# Altium PCB ProtocolAnalyzer.PcbDoc
Units mil, origin at the board's own origin, x right, y up, seen from the top; angles counter-clockwise.
Board outline 3125 x 1950 mil, 2 copper layers (Top Layer, Bottom Layer); 17 components, 16 nets, 129 pads, 0 vias.
Unrouted connection lines stored in the file: 41.
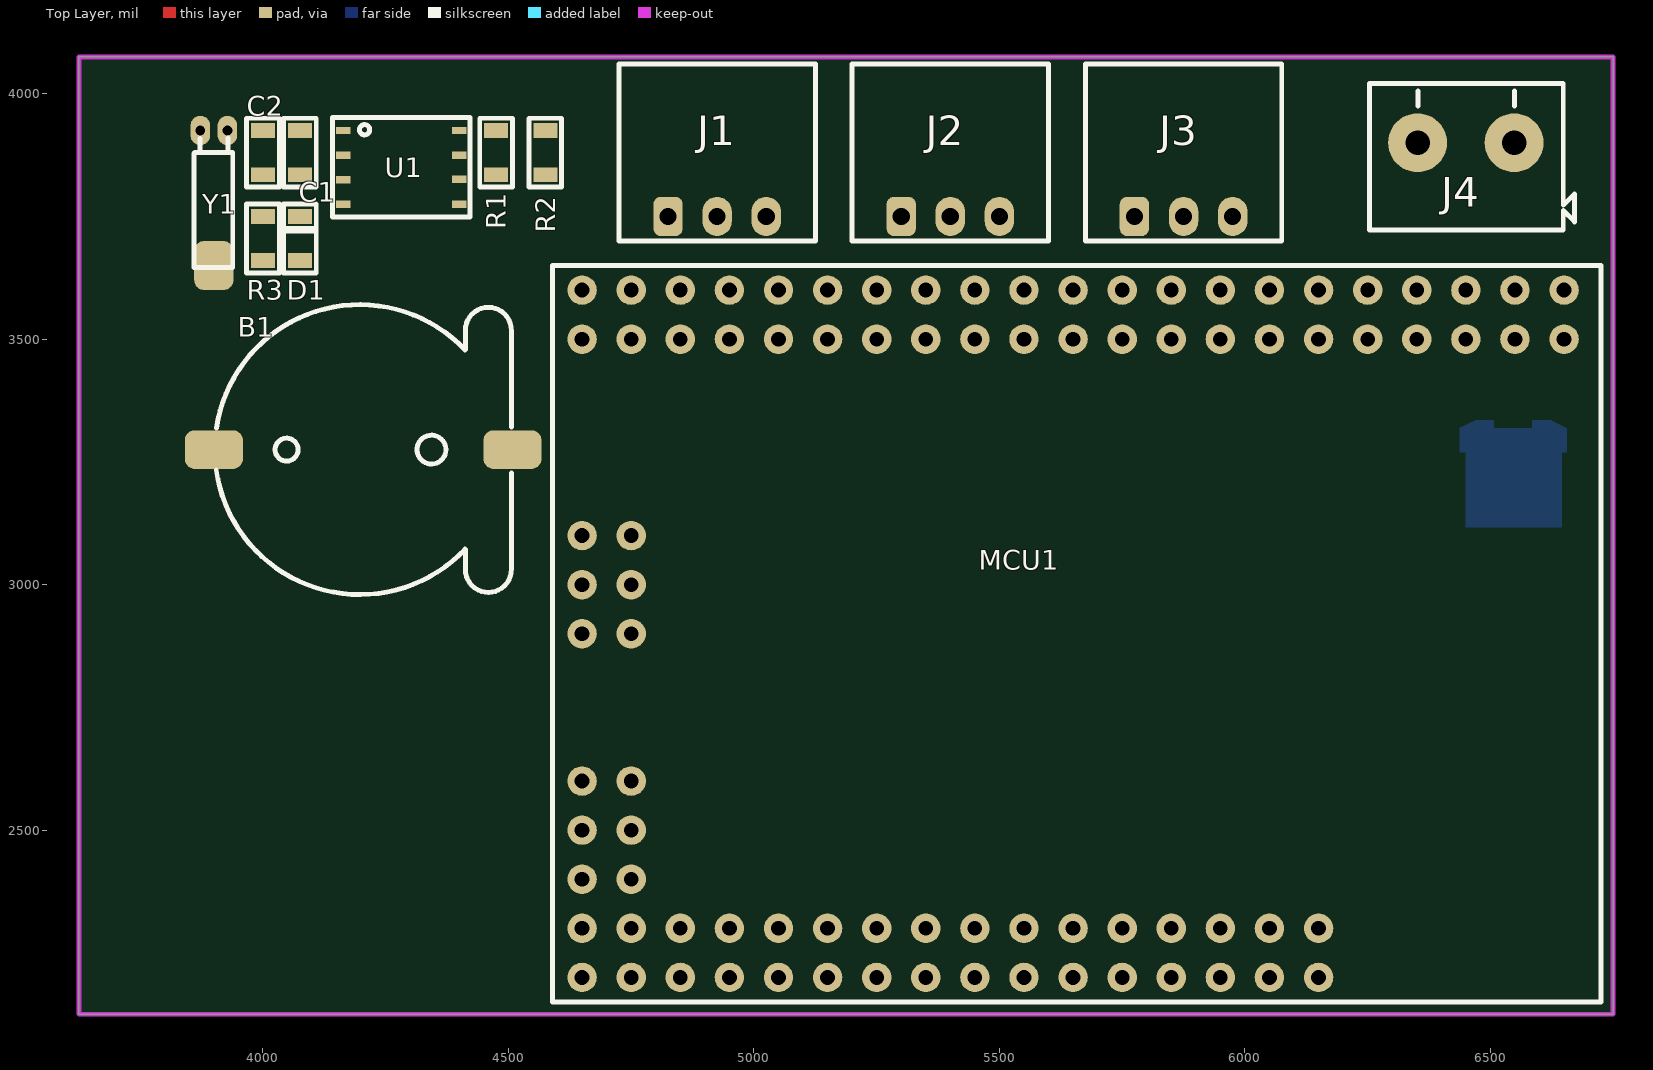
[diagram p0: Top Layer view]
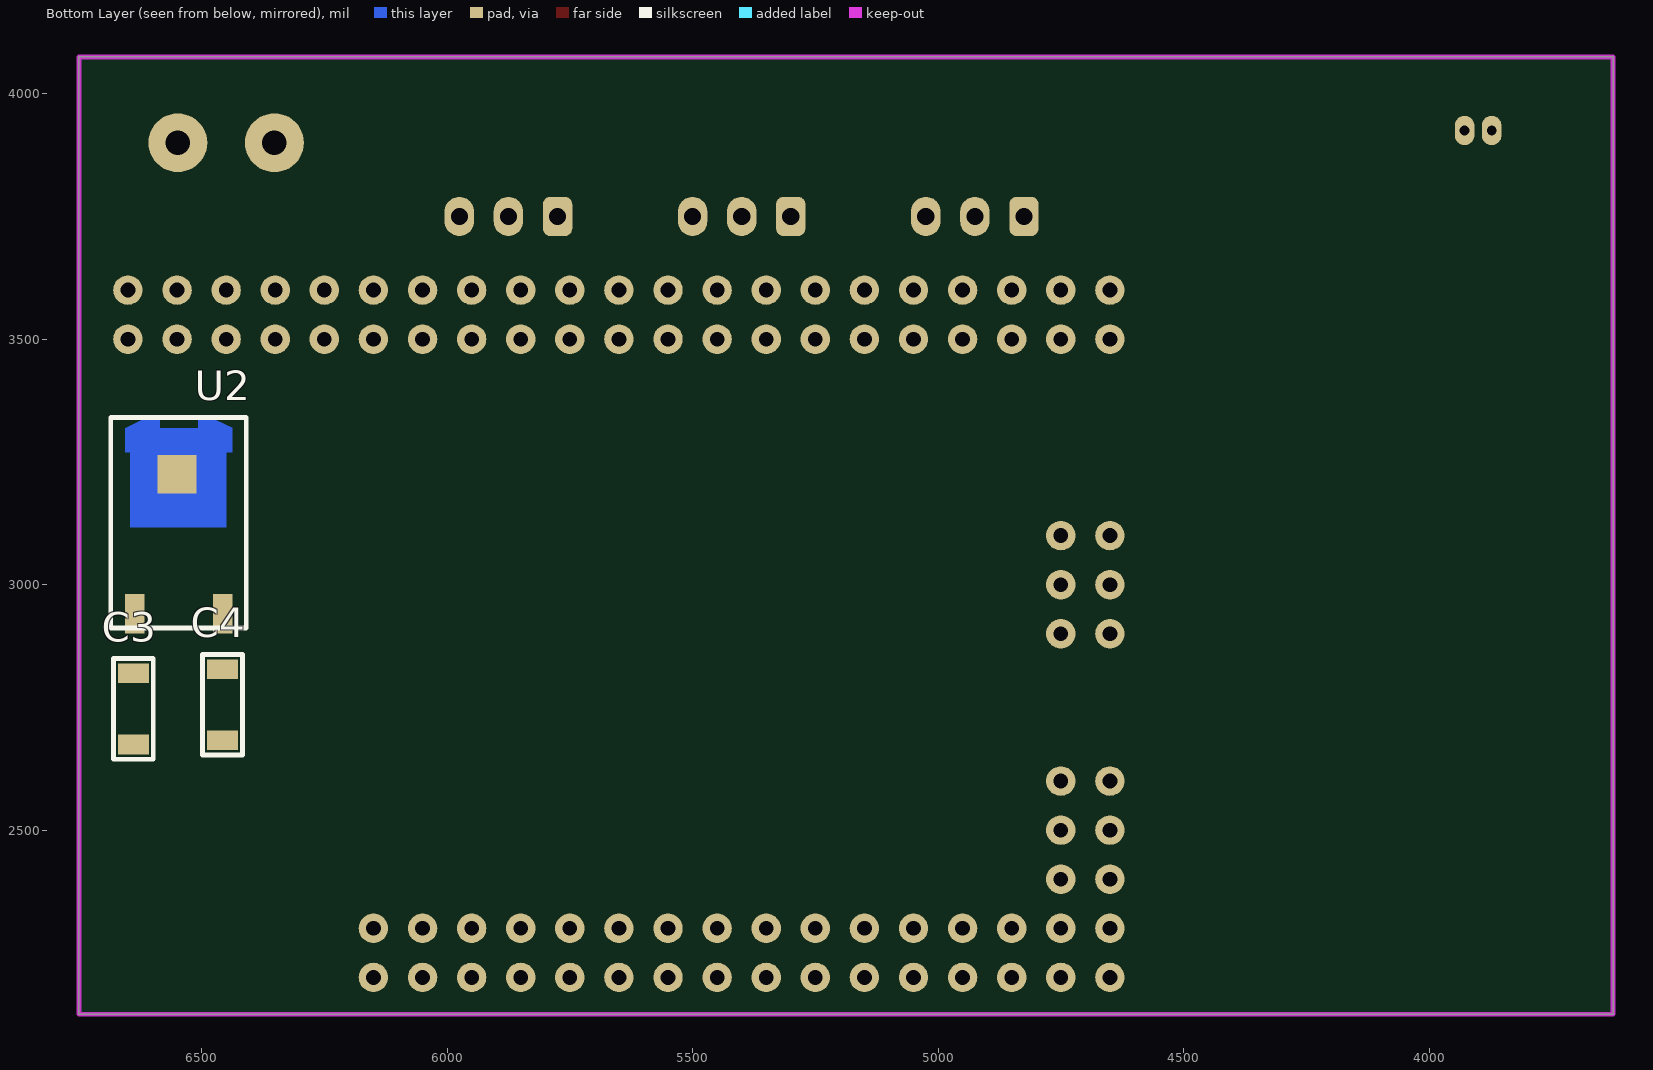
[diagram p1: Bottom Layer view, seen from below]

## Layer stack, top to bottom
Top Solder: solder mask 0.4, Solder Resist, Dk 3.5
Top Layer: signal copper 1.4
Dielectric 1: dielectric 12.6, FR-4, Dk 4.8
Bottom Layer: signal copper 1.4
Bottom Solder: solder mask 0.4, Solder Resist, Dk 3.5

## Board outline
3625,2125 3625,4075 6750,4075 6750,2125

## Design rules (kind name [scope] priority, off if disabled: settings)
Clearance [All] p1: gap=10 ignorepadtopadclearanceinfootprint=FALSE except(0: Arc-Hole Track-Hole SMDPad-Hole THPad-Hole Via-Hole Fill-Hole Poly-Hole Region-Hole Text-Hole)
PolygonConnect [All] p1: connectstyle=Relief reliefconductorwidth=10 reliefentries=4 polygonreliefangle="90 Angle" airgapwidth=10
RoutingVias [All] p1: holewidth=28 width=50 viastyle="Through Hole" minholewidth=28 minwidth=50 maxholewidth=28 maxwidth=50
SolderMaskExpansion [All] p1: expansion=4 istentingtop=FALSE
Width [All] p1: maxlimit=10 minlimit=10 preferedwidth=10
30 further rules are at their usual default settings.

## Components (designator, comment, footprint, x,y, rotation, side; value= is the part's Value field where it differs from the comment)
B1 "Batery" CR1220 4197.24,3275 r90 top
C1 "22p" C0805 4075,3880 r90 top
C2 "22p" C0805 4000,3880 r90 top
C3 "104" C1206 6638.77,2746.81 r270 bottom
C4 "104" C1206 6457.42,2755.28 r270 bottom
D1 "LED" L0805RED 4075,3705 r90 top
J1 "UART1" "JST - XH - Thru (R) - 3Pin - 2.54mm" 4925,3750 r0 top
J2 "UART2" "JST - XH - Thru (R) - 3Pin - 2.54mm" 5400,3750 r0 top
J3 "UART3" "JST - XH - Thru (R) - 3Pin - 2.54mm" 5875,3750 r0 top
J4 "KF306" DG306-5.0-02P-12-00AH 6450,3900 r180 top
MCU1 "MEGA256-PRO" MEGA2560-PRO 4650,3600 r0 top
R1 "10k" R0805 4475,3880 r90 top
R2 "10k" R0805 4575,3880 r90 top
R3 "10k" R0805 4000,3705 r90 top
U1 "RealTime" SOIC08_1.27_6.0 4281.73,3849.7 r0 top
U2 "LM7805" TO252-3 6546.06,3130.51 r180 bottom
Y1 "32.768KHz" DT-26 3900,3925 r90 top

## Footprints (in the part's own frame and the unit in brackets; to place one, negate y for a bottom-side part, rotate by r counter-clockwise, add the part's x,y. Pads: shape width x height; smd on the part's side, far side on the other; paste and mask are expansions set on the pad)
C0805 [mil]
  rect 30x48.82 smd: 1(-45,0) 2(45,0)
  silkscreen extent -70,-33 70,33, body extent -39,-24 39,24, height 39
C1206 [mil]
  rect 40x62.99 smd: 1(-72.5,0) 2(72.5,0)
  silkscreen extent -103,-40 103,40, body extent -63,-31 63,31, height 30
CR1220 [mm]
  rrect50% 2x3 smd: 1(0,-7.9) 2(0,7.55)
  silkscreen extent -7.5,-7.84 7.5,7.43, body extent -7.5,-9.42 7.5,9.07, height 4.04
DG306-5.0-02P-12-00AH [mil] "• Current rating: 10 A AC/DC  • Voltage rating: 300 V AC/DC  • Temperature range: -30° ~ +120°  • Applicable wire: 22-14AWG UL (0.5 - 1.5mm² IEC)"
  round 120 hole 50: 1(-98.43,0) 2(98.43,0)
  silkscreen extent -221,-121 197,178, body extent -221,-121 196,178, height 394
DT-26 [mil]
  oval 60x40 hole 20: 1(0,27.56) 2(0,-27.56)
  rrect50% 100x80 smd: 3(-275,0)
  silkscreen extent -279,-38 -15,40, body extent -275,-39 6,39, height 79
"JST - XH - Thru (R) - 3Pin - 2.54mm" [mil]
  rrect50% 60x80 hole 35: 1(-100,0)
  oval 60x80 hole 35: 2(0,0) 3(100,0)
  silkscreen extent -200,-50 200,310, body extent -192,-13 192,304, height 230
L0805RED [mil]
  rect 30x48.82 smd: 1(-45,0) 2(45,0)
  silkscreen extent -70,-35 70,35, body extent -39,-25 39,25, height 43
MEGA2560-PRO [mil]
  round 60 hole 30: 0(1500,-100) 1(1500,0) 2(1400,-100) 3(1400,0) 4(1300,-100) 5(1300,0) 6(1200,-100) 7(1200,0) 8(1100,-100) 9(1100,0) 10(1000,-100) 11(1000,0) 12(900,-100) 13(900,0) 14(800,-100) 15(800,0) 16(700,-100) 17(700,0) 18(600,-100) 19(600,0) 20(500,-100) 21(500,0) 22(400,-100) 23(400,0) 24(300,-100) 25(300,0) 26(200,-100) 27(200,0) 28(100,-100) 29(100,0) 30(0,-100) 31(0,0) 32(700,-1400) 33(700,-1300) 34(600,-1400) 35(600,-1300) 36(500,-1400) 37(500,-1300) 38(400,-1400) 39(400,-1300) 40(300,-1400) 41(300,-1300) 42(200,-1400) 43(200,-1300) 44(100,-1400) 45(100,-1300) 46(0,-1400) 47(0,-1300) 48(0,-1200) 49(100,-1200) 50(0,-1100) 51(100,-1100) 52(0,-1000) 53(100,-1000) 54(1500,-1400) 55(1500,-1300) 56(1400,-1400) 57(1400,-1300) 58(1300,-1400) 59(1300,-1300) 60(1200,-1400) 61(1200,-1300) 62(1100,-1400) 63(1100,-1300) 64(1000,-1400) 65(1000,-1300) 66(900,-1400) 67(900,-1300) 68(800,-1400) 69(800,-1300) 70(2000,-100) 71(2000,0) 72(1900,-100) 73(1900,0) 74(1800,-100) 75(1800,0) 76(1700,-100) 77(1700,0) 78(1600,-100) 79(1600,0) 80(100,-500) 81(0,-500) 82(100,-600) 83(0,-600) 84(100,-700) 85(0,-700)
  silkscreen extent -60,-1450 2075,50, body extent -55,-1448 2074,48, height 234
R0805 [mil]
  rect 30x48.82 smd: 1(-45,0) 2(45,0)
  silkscreen extent -70,-33 70,33, body extent -39,-25 40,25, height 18
SOIC08_1.27_6.0 [mil]
  rect 30x15 smd: 1(-118.27,75.3) 2(-118.27,25.1) 3(-118.27,-25.1) 4(-118.27,-75.3) 5(118.27,-75.3) 6(118.27,-24.11) 7(118.27,25.1) 8(118.27,75.3)
  silkscreen extent -140,-101 140,101, body extent -118,-96 118,96, height 69
TO252-3 [mil]
  rect 40x80 smd: 1(-89.94,-189.83) 3(89.06,-189.83)
  rect 78.74x78.74 smd: 2(-3.94,94.49)
  Top Layer region: -76.94,204.17 -108.94,188.17 -108.94,139.17 -98.94,139.17 -98.94,-13.83 96.06,-13.83 96.06,139.17 108.06,139.17 108.06,189.54 76.06,204.17 39.06,204.17 39.06,188.17 -38.94,188.17 -38.94,204.17
  silkscreen extent -139,-219 137,210, body extent -133,-194 132,204, height 93

## Part data
C1 C2 C3 C4: library part Capacitors(SMD)
D1: library part LED0805
J1 J2 J3: library part "JST - XH - Thru (R) - 3Pin - 2.54mm"
J4: library part DG306-5.0-02P-12-00AH
MCU1: library part "Arduino Mega 2560 Pro"
R1 R2 R3: library part Resistors-SMD
U1: library part RealTime-DS1307
U2: library part Ic-LM7805
Y1: library part "Crystal 32.768KHz"

## Nets (pads, with @x,y where several pads share a name; then routed paths per layer and width w, separated by ;. In a path a pad name is that pad's centre, name@x,y a point inside that pad or via, vN(x,y) a via of type N, cw(c..) or ccw(c..) an arc to the next point about the centre after c; other vN are vias at no path point)
GND: B1.2 C1.1 C2.1 C3.2 C4.2 D1.2 J1.3 J2.3 J3.3 J4.2 MCU1.72 MCU1.73 MCU1.81 U1.4 U2.2 Y1.3
NetB1_1: B1.1 U1.3
NetC1_2: C1.2 U1.1 Y1.2
NetC2_2: C2.2 U1.2 Y1.1
NetC3_1: C3.1 J4.1 U2.1
NetD1_1: D1.1 R3.1
NetR3_2: R3.2 U1.7
RX1: J1.1 MCU1.19
RX2: J2.1 MCU1.17
RX3: J3.1 MCU1.15
SCL: MCU1.21 R1.1 U1.6
SDA: MCU1.20 R2.1 U1.5
TX1: J1.2 MCU1.18
TX2: J2.2 MCU1.16
TX3: J3.2 MCU1.14
VCC: C4.1 MCU1.74 MCU1.75 MCU1.85 R1.2 R2.2 U1.8 U2.3
pads on no net: MCU1.0 MCU1.1 MCU1.2 MCU1.3 MCU1.4 MCU1.5 MCU1.6 MCU1.7 MCU1.8 MCU1.9 MCU1.10 MCU1.11 MCU1.12 MCU1.13 MCU1.22 MCU1.23 MCU1.24 MCU1.25 MCU1.26 MCU1.27 MCU1.28 MCU1.29 MCU1.30 MCU1.31 MCU1.32 MCU1.33 MCU1.34 MCU1.35 MCU1.36 MCU1.37 MCU1.38 MCU1.39 MCU1.40 MCU1.41 MCU1.42 MCU1.43 MCU1.44 MCU1.45 MCU1.46 MCU1.47 MCU1.48 MCU1.49 MCU1.50 MCU1.51 MCU1.52 MCU1.53 MCU1.54 MCU1.55 MCU1.56 MCU1.57 MCU1.58 MCU1.59 MCU1.60 MCU1.61 MCU1.62 MCU1.63 MCU1.64 MCU1.65 MCU1.66 MCU1.67 MCU1.68 MCU1.69 MCU1.70 MCU1.71 MCU1.76 MCU1.77 MCU1.78 MCU1.79 MCU1.80 MCU1.82 MCU1.83 MCU1.84

## Keep-outs
Keep-Out Layer:
  the board outline again, w10